# Allegro board Learn.brd (continued)
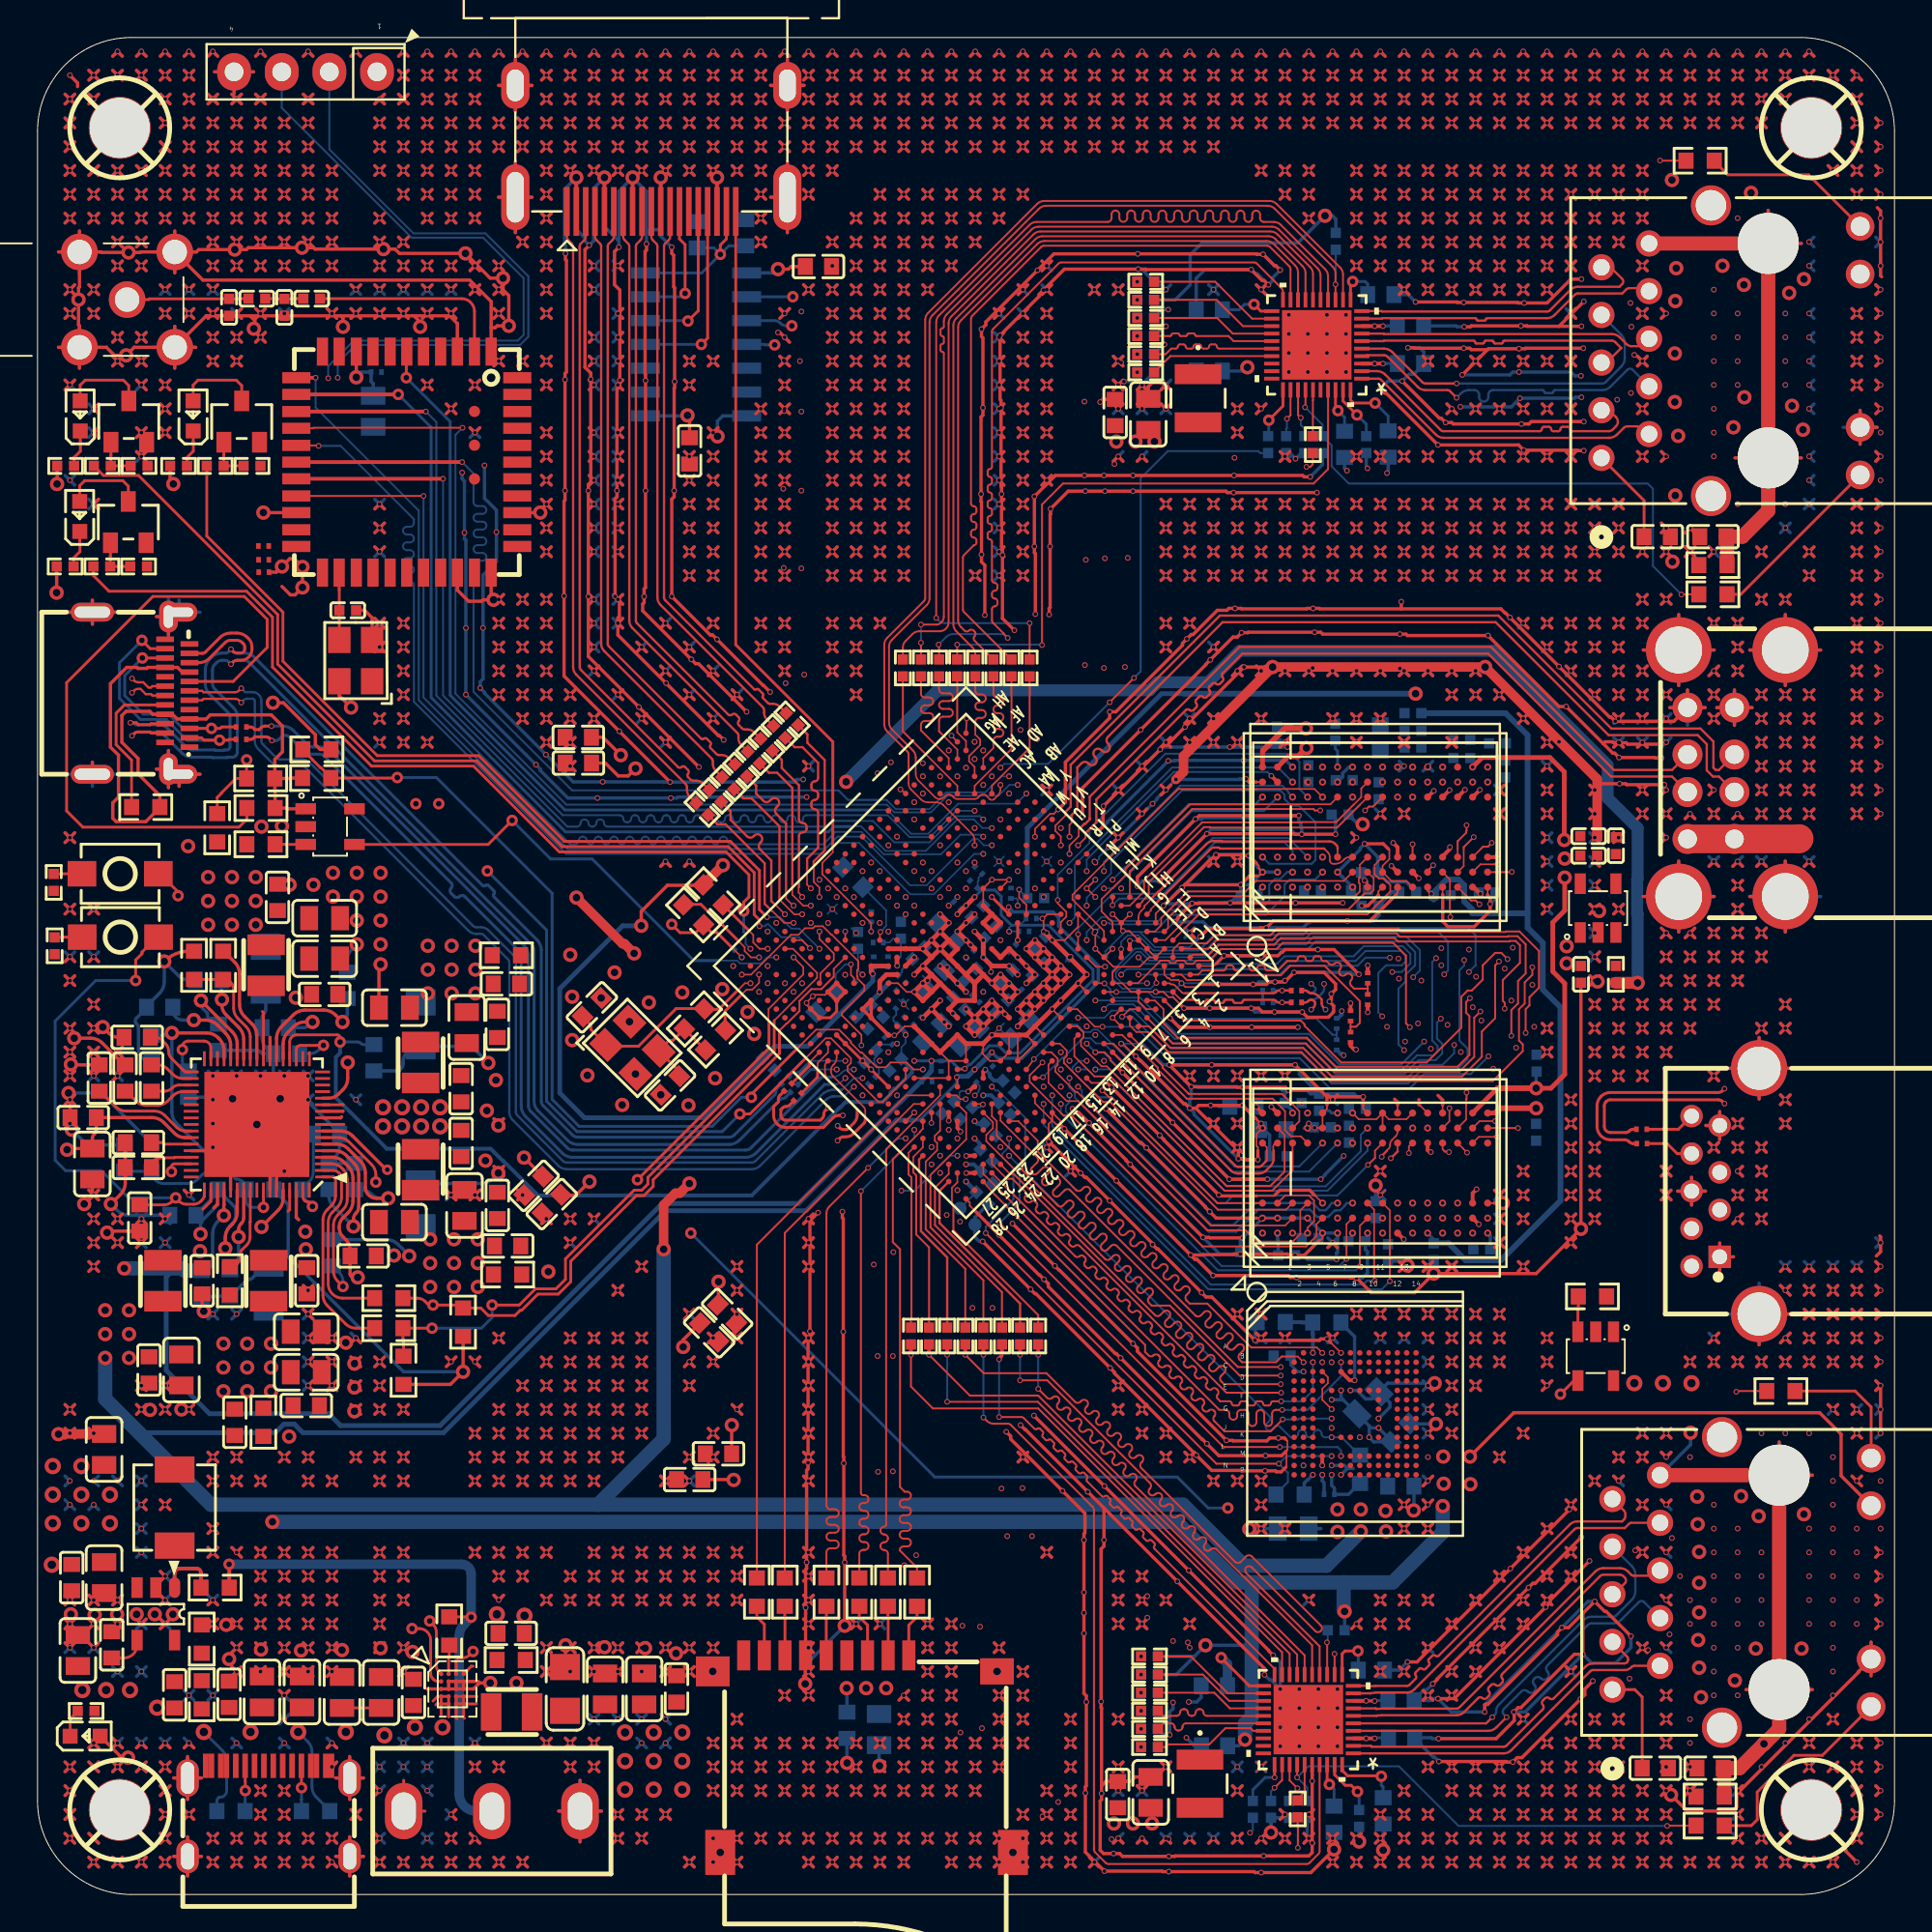
[diagram p0: board, top side]
## Routing (per net, layer and track width the routed paths; a pad name or vN(x,y) marks a point on that pad's centre or on a via; arc(x,y) is an arc through that point) (continued)
24.84,23.57 ; v1(24.58,23.31) 24.84,23.06 ; v1(24.58,23.31) 24.33,23.57 ; v1(86.81,71.57) 87.07,71.32 ; v1(86.81,71.57) 86.56,71.83 ; v1(86.81,71.57) 87.07,71.83 ; v1(86.81,71.57) 86.56,71.32 ; 31.19,76.91 v1(30.93,76.65) 31.19,76.4 ; v1(55.7,57.45) 55.7,58.98 v1(58.8,62.08) 62.28,65.55 62.28,65.58 v1(62.51,65.81) 63.73,67.03 63.95,67.03 v1(64.19,67.26) 64.51,67.26 64.54,67.28 v1(68.07,67.28) 68.4,67.28 68.5,67.18 v1(72.62,67.18) 72.95,67.18 73.02,67.11 v1(77.32,67.11) 81.1,63.32 v1(81.48,63.32) 83.46,61.34 ; v1(43.63,89.35) 43.89,89.61 ; v1(43.63,89.35) 43.38,89.61 ; v1(43.63,89.35) 43.38,89.1 ; v1(43.63,89.35) 43.89,89.1 ; v1(38.55,79.19) 38.81,78.94 ; v1(38.55,79.19) 38.3,78.94 ; v1(38.55,79.19) 38.81,79.45 ; v1(38.55,79.19) 38.3,79.45 ; v1(66.49,95.7) 66.75,95.96 ; v1(66.49,95.7) 66.75,95.45 ; v1(66.49,95.7) 66.24,95.96 ; v1(66.49,95.7) 66.24,95.45 ; v1(43.63,84.27) 43.89,84.02 ; v1(43.63,84.27) 43.38,84.53 ; v1(43.63,84.27) 43.89,84.53 ; v1(43.63,84.27) 43.38,84.02 ; 35.76,97.99 v1(36.01,98.24) 36.27,97.99 ; v1(37.28,63.95) 37.54,63.7 ; v1(37.28,63.95) 37.03,63.7 ; v1(37.28,63.95) 37.03,64.21 ; 7.82,37.54 v1(8.07,37.28) 8.33,37.54 ; 5.28,35.76 v1(5.53,36.01) 5.79,35.76 ; v1(79.19,9.34) 79.45,9.6 ; v1(79.19,9.34) 78.94,9.09 ; v1(79.19,9.34) 78.94,9.6 ; v1(71.58,80.26) 71.81,80.03 71.89,80.03 v1(74.65,77.27) 78.94,77.27 v1(79.22,76.99) 82.07,76.99 82.09,76.96 v1(82.42,76.96) ; v1(38.55,88.08) 38.81,87.83 ; v1(38.55,88.08) 38.3,88.34 ; v1(38.55,88.08) 38.81,88.34 ; v1(38.55,88.08) 38.3,87.83 ; v1(43.63,81.73) 43.89,81.99 ; v1(43.63,81.73) 43.38,81.99 ; v1(43.63,81.73) 43.38,81.48 ; v1(43.63,81.73) 43.89,81.48 ; v1(83,8.07) 83.26,8.33 ; v1(83,8.07) 83.26,7.82 ; v1(83,8.07) 82.75,8.33 ; v1(83,8.07) 82.75,7.82 ; v1(83,89.35) 83.26,89.61 ; v1(83,89.35) 82.75,89.1 ; v1(83,89.35) 83.26,89.1 ; v1(83,89.35) 82.75,89.61 ; v1(52.52,76.65) 52.78,76.4 ; v1(52.52,76.65) 52.78,76.91 ; v1(52.52,76.65) 52.27,76.91 ; v1(52.52,76.65) 52.27,76.4 ; 25.6,25.6 v1(25.85,25.85) ; v1(25.85,25.85) 25.6,26.11 ; v1(25.85,25.85) 26.11,25.6 ; v1(25.85,25.85) 26.11,26.11 ; 28.14,13.41 v1(28.39,13.15) ; v1(28.39,13.15) 28.65,12.9 ; v1(28.39,13.15) 28.65,13.41 ; v1(28.39,13.15) 28.14,12.9 ; v1(60.14,15.69) 60.4,15.95 ; v1(60.14,15.69) 60.4,15.44 ; v1(60.14,15.69) 59.89,15.44 ; v1(60.14,15.69) 59.89,15.95 ; v1(11.88,18.23) 12.14,17.98 ; v1(11.88,18.23) 11.63,17.98 ; v1(11.88,18.23) 12.14,18.49 ; v1(11.88,18.23) 11.63,18.49 ; C232.2 17.44,68.45 17.84,68.05 Y2.2 ; 7.82,96.72 v1(8.07,96.97) ; v1(8.07,96.97) 8.33,96.72 ; v1(8.07,96.97) 7.82,97.23 ; v1(8.07,96.97) 8.33,97.23 ; 92.91,95.96 v1(93.16,95.7) ; v1(93.16,95.7) 93.42,95.96 ; v1(93.16,95.7) 92.91,95.45 ; 82.75,90.37 v1(83,90.62) ; v1(83,90.62) 83.26,90.88 ; v1(83,90.62) 82.75,90.88 ; v1(83,90.62) 83.26,90.37 ; 43.38,78.18 v1(43.63,77.92) ; v1(43.63,77.92) 43.89,78.18 ; v1(43.63,77.92) 43.89,77.67 ; v1(43.63,77.92) 43.38,77.67 ; v1(49.98,1.72) 50.24,1.47 ; v1(49.98,1.72) 50.24,1.98 ; v1(49.98,1.72) 49.73,1.98 ; v1(49.98,1.72) 49.73,1.47 ; 78.94,86.56 v1(79.19,86.81) ; v1(79.19,86.81) 79.45,87.07 ; v1(79.19,86.81) 78.94,87.07 ; v1(79.19,86.81) 79.45,86.56 ; v1(81.73,39.82) 81.99,39.57 ; v1(81.73,39.82) 81.99,40.08 ; v1(81.73,39.82) 81.48,40.08 ; v1(81.73,39.82) 81.48,39.57 ; 85.8,61.16 v1(85.54,61.41) 85.29,61.16 ; 1.47,94.69 v1(1.72,94.43) ; v1(1.72,94.43) 1.98,94.18 ; v1(1.72,94.43) 1.47,94.18 ; v1(1.72,94.43) 1.98,94.69 ; 78.94,87.83 v1(79.19,88.08) ; v1(79.19,88.08) 78.94,88.34 ; v1(79.19,88.08) 79.45,88.34 ; v1(79.19,88.08) 79.45,87.83 ; v1(62.68,93.16) 62.94,93.42 ; v1(62.68,93.16) 62.94,92.91 ; v1(62.68,93.16) 62.43,93.42 ; v1(62.68,93.16) 62.43,92.91 ; v1(24.58,63.95) 24.84,63.7 ; v1(24.58,63.95) 24.84,64.21 ; v1(24.58,63.95) 24.33,64.21 ; v1(24.58,63.95) 24.33,63.7 ; 63.7,31.19 v1(63.95,30.93) ; v1(63.95,30.93) 63.7,30.68 ; v1(63.95,30.93) 64.21,31.19 ; v1(63.95,30.93) 64.21,30.68 ; v1(86.81,2.99) 87.07,3.25 ; v1(86.81,2.99) 86.56,3.25 ; v1(86.81,2.99) 86.56,2.74 ; v1(86.81,2.99) 87.07,2.74 ; v1(32.2,18.23) 32.46,17.98 ; v1(32.2,18.23) 32.46,18.49 ; v1(32.2,18.23) 31.95,17.98 ; v1(32.2,18.23) 31.95,18.49 ; 37.03,95.45 v1(37.28,95.7) ; v1(37.28,95.7) 37.54,95.45 ; v1(37.28,95.7) 37.03,95.96 ; v1(37.28,95.7) 37.54,95.96 ; v1(42.36,1.72) 42.62,1.47 ; v1(42.36,1.72) 42.11,1.47 ; v1(42.36,1.72) 42.11,1.98 ; v1(42.36,1.72) 42.62,1.98 ; v1(80.46,88.08) 80.72,87.83 ; v1(80.46,88.08) 80.21,87.83 ; v1(80.46,88.08) 80.72,88.34 ; v1(80.46,88.08) 80.21,88.34 ; 97.99,4.01 v1(98.24,4.26) 97.99,4.52 ; U1.1 8,7.35 ; U1.1 8.74,6.21 ; U1.1 8,5.07 ; U1.1 7.26,6.21 ; 12.9,10.87 v1(13.15,10.61) 13.41,10.87 ; v1(6.8,96.97) 7.06,97.23 ; v1(6.8,96.97) 7.06,96.72 ; v1(6.8,96.97) 6.55,97.23 ; v1(6.8,96.97) 6.55,96.72 ; 15.44,90.88 v1(15.69,90.62) ; v1(15.69,90.62) 15.44,90.37 ; v1(15.69,90.62) 15.95,90.37 ; v1(15.69,90.62) 15.95,90.88 ; v1(88.08,46.17) 88.34,45.92 ; v1(88.08,46.17) 87.83,46.43 ; v1(88.08,46.17) 88.34,46.43 ; v1(88.08,46.17) 87.83,45.92 ; v1(79.19,96.97) 79.45,96.72 ; v1(79.19,96.97) 79.45,97.23 ; v1(79.19,96.97) 78.94,96.72 ; v1(79.19,96.97) 78.94,97.23 ; 97.99,64.97 v1(98.24,65.22) 97.99,65.48 ; 6.34,68.12 U17.C2 6.98,67.13 ; 33.22,18.49 v1(33.47,18.23) ; v1(33.47,18.23) 33.22,17.98 ; v1(33.47,18.23) 33.73,18.49 ; v1(33.47,18.23) 33.73,17.98 ; 1.47,43.38 v1(1.72,43.63) ; v1(1.72,43.63) 1.98,43.89 ; v1(1.72,43.63) 1.47,43.89 ; v1(1.72,43.63) 1.98,43.38 ; 71.32,91.64 v1(71.57,91.89) ; v1(71.57,91.89) 71.83,91.64 ; v1(71.57,91.89) 71.83,92.15 ; v1(71.57,91.89) 71.32,92.15 ; v1(20.77,96.97) 21.03,96.72 ; v1(20.77,96.97) 20.52,97.23 ; v1(20.77,96.97) 20.52,96.72 ; v1(20.77,96.97) 21.03,97.23 ; v1(41.09,36.01) 41.35,35.76 ; v1(41.09,36.01) 41.35,36.27 ; v1(41.09,36.01) 40.84,35.76 ; v1(75.38,65.22) 75.64,64.97 ; v1(75.38,65.22) 75.13,65.48 ; v1(75.38,65.22) 75.64,65.48 ; v1(75.38,65.22) 75.13,64.97 ; v1(14.42,16.96) 14.68,17.22 ; v1(14.42,16.96) 14.17,16.71 ; v1(14.42,16.96) 14.17,17.22 ; v1(14.42,16.96) 14.68,16.71 ; 1.47,6.55 v1(1.72,6.8) ; v1(1.72,6.8) 1.47,7.06 ; v1(1.72,6.8) 1.98,7.06 ; v1(1.72,6.8) 1.98,6.55 ; 59.89,24.84 v1(60.14,24.58) ; v1(60.14,24.58) 59.89,24.33 ; v1(60.14,24.58) 60.4,24.84 ; v1(60.14,24.58) 60.4,24.33 ; 68.93,29.42 v1(68.73,29.62) 68.4,29.62 68.33,29.54 v1(64.9,29.54) 62.59,31.85 62.28,31.85 v1(62.05,32.08) 59.72,34.41 59.67,34.41 v1(59.44,34.65) 59.44,34.7 v1(57.15,36.98) 55.91,38.22 55.83,38.22 v1(55.6,38.46) 54.16,39.9 54.13,39.9 v1(53.9,40.13) 53.9,40.43 ; 48.46,88.34 v1(48.71,88.08) ; v1(48.71,88.08) 48.46,87.83 ; v1(48.71,88.08) 48.97,88.34 ; v1(48.71,88.08) 48.97,87.83 ; v1(46.17,2.99) 46.43,3.25 ; v1(46.17,2.99) 46.43,2.74 ; v1(46.17,2.99) 45.92,3.25 ; v1(46.17,2.99) 45.92,2.74 ; 20.52,80.72 v1(20.77,80.46) ; v1(20.77,80.46) 20.52,80.21 ; v1(20.77,80.46) 21.03,80.21 ; v1(20.77,80.46) 21.03,80.72 ; 80.21,7.82 v1(80.46,8.07) ; v1(80.46,8.07) 80.21,8.33 ; v1(80.46,8.07) 80.72,7.82 ; v1(80.46,8.07) 80.72,8.33 ; 65.96,37.29 66.22,37.54 67.81,37.54 68.07,37.29 ; v1(52.52,9.34) 52.78,9.09 ; v1(52.52,9.34) 52.27,9.6 ; v1(52.52,9.34) 52.27,9.09 ; v1(52.52,9.34) 52.78,9.6 ; v1(29.66,25.85) 29.92,26.11 ; v1(29.66,25.85) 29.92,25.6 ; v1(29.66,25.85) 29.41,25.6 ; v1(29.66,25.85) 29.41,26.11 ; v1(47.44,10.61) 47.7,10.87 ; v1(47.44,10.61) 47.7,10.36 ; v1(47.44,10.61) 47.19,10.87 ; v1(47.44,10.61) 47.19,10.36 ; 1.47,48.46 v1(1.72,48.71) ; v1(1.72,48.71) 1.47,48.97 ; v1(1.72,48.71) 1.98,48.97 ; v1(1.72,48.71) 1.98,48.46 ; v1(36.01,1.72) 36.27,1.47 ; v1(36.01,1.72) 35.76,1.47 ; v1(36.01,1.72) 36.27,1.98 ; v1(36.01,1.72) 35.76,1.98 ; v1(19.5,94.43) 19.76,94.69 ; v1(19.5,94.43) 19.25,94.18 ; v1(19.5,94.43) 19.25,94.69 ; v1(19.5,94.43) 19.76,94.18 ; 81.48,5.79 v1(81.73,5.53) ; v1(81.73,5.53) 81.48,5.28 ; v1(81.73,5.53) 81.99,5.79 ; v1(81.73,5.53) 81.99,5.28 ; 5.28,14.68 v1(5.53,14.42) 5.79,14.68 ; 78.94,78.94 v1(79.19,79.19) ; v1(79.19,79.19) 79.45,78.94 ; v1(79.19,79.19) 79.45,79.45 ; v1(79.19,79.19) 78.94,79.45 ; 9.09,94.18 v1(9.34,94.43) ; v1(9.34,94.43) 9.6,94.18 ; v1(9.34,94.43) 9.6,94.69 ; v1(9.34,94.43) 9.09,94.69 ; v1(53.79,58.87) 54.05,58.62 ; v1(53.79,58.87) 53.54,59.13 ; v1(53.79,58.87) 54.05,59.13 ; v1(44.9,83) 45.16,83.26 ; v1(44.9,83) 45.16,82.75 ; v1(44.9,83) 44.65,83.26 ; v1(44.9,83) 44.65,82.75 ; v1(50.5,68.2) 50.5,70.86 50.32,71.03 v1(50.32,71.42) 50.32,74.23 50.29,74.26 v1(50.29,74.65) 50.29,78.75 50.39,78.86 v1(50.39,79.25) 50.39,82.97 50.32,83.05 v1(50.32,83.44) 50.55,83.67 50.55,83.82 v1(53.3,86.58) 54.18,87.45 v1(58.65,87.45) 64.98,87.45 65,87.43 v1(65.33,87.43) 65.93,86.82 66.01,86.82 v1(66.24,86.59) ; v1(11.88,1.72) 12.14,1.98 ; v1(11.88,1.72) 12.14,1.47 ; v1(11.88,1.72) 11.63,1.98 ; v1(11.88,1.72) 11.63,1.47 ; 81.48,12.14 v1(81.73,11.88) ; v1(81.73,11.88) 81.48,11.63 ; v1(81.73,11.88) 81.99,12.14 ; v1(86.81,4.26) 87.07,4.52 ; v1(86.81,4.26) 86.56,4.52 ; v1(86.81,4.26) 87.07,4.01 ; v1(86.81,4.26) 86.56,4.01 ; 82.37,14.99 v1(82.37,12.8) 81.92,12.8 79.07,9.96 78.92,9.96 v1(78.69,9.73) 78.69,9.68 78.71,9.65 78.71,9.27 77.75,8.31 v1(74.68,8.31) ; 6.55,21.03 v1(6.8,20.77) ; v1(6.8,20.77) 6.55,20.52 ; v1(6.8,20.77) 7.06,20.52 ; v1(6.8,20.77) 7.06,21.03 ; v1(56.49,56.62) 56.79,56.92 56.79,57.66 56.82,57.69 v1(56.82,58.01) v1(59.84,61.04) 60.07,61.27 60.2,61.27 v1(61.16,62.23) 61.4,62.46 61.4,62.51 v1(64.31,65.43) v3(65.84,65.43) ; 16.15,84.15 20.07,84.15 ; v1(29.66,65.22) 29.92,64.97 ; v1(29.66,65.22) 29.41,65.48 ; v1(29.66,65.22) 29.92,65.48 ; 15.44,12.9 v1(15.69,13.15) ; v1(15.69,13.15) 15.95,12.9 ; v1(15.69,13.15) 15.44,13.41 ; v1(15.69,13.15) 15.95,13.41 ; v1(74.11,29.66) 74.37,29.41 ; v1(74.11,29.66) 74.37,29.92 ; v1(74.11,29.66) 73.86,29.92 ; 17.98,89.1 v1(18.23,89.35) ; v1(18.23,89.35) 17.98,89.61 ; v1(18.23,89.35) 18.49,89.61 ; v1(18.23,89.35) 18.49,89.1 ; v1(41.09,96.97) 41.35,97.23 ; v1(41.09,96.97) 41.35,96.72 ; v1(41.09,96.97) 40.84,97.23 ; v1(41.09,96.97) 40.84,96.72 ; 19.25,23.57 v1(19.5,23.31) ; v1(19.5,23.31) 19.76,23.57 ; v1(19.5,23.31) 19.25,23.06 ; v1(19.5,23.31) 19.76,23.06 ; v1(44.9,5.53) 45.16,5.79 ; v1(44.9,5.53) 44.65,5.79 ; v1(44.9,5.53) 44.65,5.28 ; v1(44.9,5.53) 45.16,5.28 ; 67.51,90.37 v1(67.76,90.62) ; v1(67.76,90.62) 68.02,90.88 ; v1(67.76,90.62) 67.51,90.88 ; v1(67.76,90.62) 68.02,90.37 ; v1(38.55,95.7) 38.81,95.45 ; v1(38.55,95.7) 38.3,95.45 ; v1(38.55,95.7) 38.81,95.96 ; v1(38.55,95.7) 38.3,95.96 ; 60.4,2.74 v1(60.14,2.99) 59.89,2.74 ; 52.27,23.06 v1(52.52,23.31) ; v1(52.52,23.31) 52.78,23.06 ; v1(52.52,23.31) 52.78,23.57 ; v1(52.52,23.31) 52.27,23.57 ; U22.2 7.32,81.36 ; U22.2 8.43,82.47 ; U22.2 7.32,83.59 ; v1(86.81,63.95) 87.07,64.21 ; v1(86.81,63.95) 86.56,64.21 ; v1(86.81,63.95) 87.07,63.7 ; v1(86.81,63.95) 86.56,63.7 ; 47.19,7.06 v1(47.44,6.8) ; v1(47.44,6.8) 47.7,7.06 ; v1(47.44,6.8) 47.7,6.55 ; v1(47.44,6.8) 47.19,6.55 ; v1(43.63,74.11) 43.89,74.37 ; v1(43.63,74.11) 43.89,73.86 ; v1(43.63,74.11) 43.38,73.86 ; v1(43.63,74.11) 43.38,74.37 ; 66.55,24.26 66.47,24.33 v1(66.14,24.33) 65.68,24.33 65.53,24.18 63.73,24.18 63.7,24.21 v1(63.37,24.21) 58.63,28.95 58.63,29.13 v1(58.39,29.36) 54.49,33.27 54.46,33.27 v1(54.23,33.5) v1(51.97,35.76) ; 77.67,28.65 v1(77.92,28.39) ; v1(77.92,28.39) 78.18,28.14 ; v1(77.92,28.39) 77.67,28.14 ; v1(77.92,28.39) 78.18,28.65 ; 31.19,84.53 v1(30.93,84.27) 31.19,84.02 ; 45.92,75.64 v1(46.17,75.38) ; v1(46.17,75.38) 45.92,75.13 ; v1(46.17,75.38) 46.43,75.13 ; v1(46.17,75.38) 46.43,75.64 ; v1(75.38,28.39) 75.64,28.65 ; v1(75.38,28.39) 75.13,28.65 ; v1(75.38,28.39) 75.13,28.14 ; v1(75.38,28.39) 75.64,28.14 ; 62.43,96.72 v1(62.68,96.97) ; v1(62.68,96.97) 62.94,97.23 ; v1(62.68,96.97) 62.43,97.23 ; v1(62.68,96.97) 62.94,96.72 ; v1(80.46,52.52) 80.72,52.78 ; v1(80.46,52.52) 80.21,52.78 ; v1(80.46,52.52) 80.21,52.27 ; 94.18,59.13 v1(94.43,58.87) ; v1(94.43,58.87) 94.18,58.62 ; v1(94.43,58.87) 94.69,59.13 ; v1(94.43,58.87) 94.69,58.62 ; v1(47.44,94.43) 47.7,94.18 ; v1(47.44,94.43) 47.7,94.69 ; v1(47.44,94.43) 47.19,94.69 ; v1(47.44,94.43) 47.19,94.18 ; v1(90.62,51.25) 90.88,51 ; v1(90.62,51.25) 90.88,51.51 ; v1(90.62,51.25) 90.37,51 ; v1(90.62,51.25) 90.37,51.51 ; 57.35,7.06 v1(57.6,6.8) ; v1(57.6,6.8) 57.86,6.55 ; v1(57.6,6.8) 57.35,6.55 ; v1(57.6,6.8) 57.86,7.06 ; v1(43.63,93.16) 43.89,92.91 ; v1(43.63,93.16) 43.38,92.91 ; v1(43.63,93.16) 43.89,93.42 ; v1(43.63,93.16) 43.38,93.42 ; v1(27.12,90.62) 27.38,90.88 ; v1(27.12,90.62) 26.87,90.37 ; v1(27.12,90.62) 27.38,90.37 ; v1(27.12,90.62) 26.87,90.88 ; v3(20.4,83.57) 20.4,83.82 20.07,84.15 ; v1(47.44,8.07) 47.7,8.33 ; v1(47.44,8.07) 47.19,8.33 ; v1(47.44,8.07) 47.19,7.82 ; v1(47.44,8.07) 47.7,7.82 ; v1(53.79,86.81) 54.05,87.07 ; v1(53.79,86.81) 53.54,86.56 ; v1(53.79,86.81) 53.54,87.07 ; v1(4.26,88.08) 4.52,88.34 ; v1(4.26,88.08) 4.52,87.83 ; v1(4.26,88.08) 4.01,88.34 ; v1(4.26,88.08) 4.01,87.83 ; 39.57,77.67 v1(39.82,77.92) ; v1(39.82,77.92) 40.08,78.18 ; v1(39.82,77.92) 39.57,78.18 ; v1(39.82,77.92) 40.08,77.67 ; v1(42.36,71.57) 42.62,71.83 ; v1(42.36,71.57) 42.11,71.83 ; v1(42.36,71.57) 42.62,71.32 ; v1(42.36,71.57) 42.11,71.32 ; v1(34.74,91.89) 35,91.64 ; v1(34.74,91.89) 35,92.15 ; v1(34.74,91.89) 34.49,91.64 ; v1(34.74,91.89) 34.49,92.15 ; v1(85.54,89.35) 85.8,89.1 ; v1(85.54,89.35) 85.8,89.61 ; v1(85.54,89.35) 85.29,89.1 ; v1(85.54,89.35) 85.29,89.61 ; 90.88,54.81 v1(90.62,55.06) 90.37,54.81 ; v1(28.39,34.74) 28.65,35 ; v1(28.39,34.74) 28.14,35 ; v1(28.39,34.74) 28.14,34.49 ; 80.21,53.54 v1(80.46,53.79) 80.21,54.05 ; 24.58,96.43 J1.22 ; J1.22 25.47,95.04 ; J1.22 25.47,97.82 ; J1.22 26.36,96.43 ; v1(36.01,23.31) 36.27,23.57 ; v1(36.01,23.31) 35.76,23.57 ; v1(36.01,23.31) 35.76,23.06 ; v1(36.01,23.31) 36.27,23.06 ; v1(82.4,82.42) 79.32,82.42 79.3,82.4 v1(78.97,82.4) 77.34,82.4 77.29,82.35 ; 39.57,65.48 v1(39.82,65.22) ; v1(39.82,65.22) 40.08,65.48 ; v1(39.82,65.22) 40.08,64.97 ; v1(39.82,65.22) 39.57,64.97 ; 35.76,71.83 v1(36.01,71.57) ; v1(36.01,71.57) 35.76,71.32 ; v1(36.01,71.57) 36.27,71.83 ; v1(36.01,71.57) 36.27,71.32 ; 12.9,4.01 v1(13.15,4.26) ; v1(13.15,4.26) 13.41,4.52 ; v1(13.15,4.26) 13.41,4.01 ; v1(13.15,4.26) 12.9,4.52 ; v1(53.79,75.38) 54.05,75.13 ; v1(53.79,75.38) 53.54,75.64 ; v1(53.79,75.38) 54.05,75.64 ; v1(53.79,75.38) 53.54,75.13 ; v1(77.92,91.89) 78.18,91.64 ; v1(77.92,91.89) 77.67,91.64 ; v1(77.92,91.89) 78.18,92.15 ; v1(77.92,91.89) 77.67,92.15 ; v1(83,66.49) 83.26,66.24 ; v1(83,66.49) 83.26,66.75 ; v1(83,66.49) 82.75,66.75 ; v1(83,66.49) 82.75,66.24 ; v1(46.17,81.73) 46.43,81.99 ; v1(46.17,81.73) 45.92,81.48 ; v1(46.17,81.73) 46.43,81.48 ; v1(46.17,81.73) 45.92,81.99 ; 97.99,81.99 v1(98.24,81.73) 97.99,81.48 ; 56.08,93.42 v1(56.33,93.16) ; v1(56.33,93.16) 56.59,92.91 ; v1(56.33,93.16) 56.59,93.42 ; v1(56.33,93.16) 56.08,92.91 ; 42.11,78.18 v1(42.36,77.92) ; v1(42.36,77.92) 42.62,77.67 ; v1(42.36,77.92) 42.11,77.67 ; v1(42.36,77.92) 42.62,78.18 ; v1(81.73,38.55) 81.99,38.81 ; v1(81.73,38.55) 81.48,38.81 ; v1(81.73,38.55) 81.99,38.3 ; v1(81.73,38.55) 81.48,38.3 ; v1(79.19,6.8) 79.45,6.55 ; v1(79.19,6.8) 78.94,7.06 ; v1(79.19,6.8) 79.45,7.06 ; v1(79.19,6.8) 78.94,6.55 ; 8,0.99 U1.3 ; U1.3 8,3.07 ; U1.3 8.74,2.03 ; U1.3 7.26,2.03 ; v1(46.17,70.3) 46.43,70.56 ; v1(46.17,70.3) 45.92,70.05 ; v1(46.17,70.3) 45.92,70.56 ; v1(46.17,70.3) 46.43,70.05 ; v1(42.36,96.97) 42.62,96.72 ; v1(42.36,96.97) 42.11,96.72 ; v1(42.36,96.97) 42.62,97.23 ; v1(42.36,96.97) 42.11,97.23 ; 74.65,42.6 74.9,42.35 74.9,42.09 ; v1(22.04,91.89) 22.3,92.15 ; v1(22.04,91.89) 22.3,91.64 ; v1(22.04,91.89) 21.79,91.64 ; v1(22.04,91.89) 21.79,92.15 ; v1(30.93,91.89) 31.19,92.15 ; v1(30.93,91.89) 30.68,92.15 ; v1(30.93,91.89) 30.68,91.64 ; v1(30.93,91.89) 31.19,91.64 ; 82.75,57.35 v1(83,57.6) ; v1(83,57.6) 82.75,57.86 ; v1(83,57.6) 83.26,57.35 ; v1(83,57.6) 83.26,57.86 ; 34.49,92.91 v1(34.74,93.16) ; v1(34.74,93.16) 35,93.42 ; v1(34.74,93.16) 35,92.91 ; v1(34.74,93.16) 34.49,93.42 ; v1(71.57,72.84) 71.83,72.59 ; v1(71.57,72.84) 71.32,72.59 ; v1(71.57,72.84) 71.83,73.1 ; v1(71.57,72.84) 71.32,73.1 ; 29.41,23.57 v1(29.66,23.31) ; v1(29.66,23.31) 29.92,23.06 ; v1(29.66,23.31) 29.92,23.57 ; v1(29.66,23.31) 29.41,23.06 ; 12.9,93.42 v1(13.15,93.16) ; v1(13.15,93.16) 12.9,92.91 ; v1(13.15,93.16) 13.41,92.91 ; v1(13.15,93.16) 13.41,93.42 ; 56.08,1.47 v1(56.33,1.72) ; v1(56.33,1.72) 56.08,1.98 ; v1(56.33,1.72) 56.59,1.47 ; v1(67.23,57.51) 61.93,57.51 61.75,57.33 v1(61.72,57.33) 58.62,54.23 58.62,53.83 ; 25.6,24.84 v1(25.85,24.58) ; v1(25.85,24.58) 26.11,24.33 ; v1(25.85,24.58) 26.11,24.84 ; v1(25.85,24.58) 25.6,24.33 ; v1(73.05,82.45) 73.38,82.45 73.4,82.42 v1(76.02,82.42) 76.35,82.42 76.43,82.35 77.29,82.35 ; 89.1,71.32 v1(89.35,71.57) 89.1,71.83 ; 82.75,95.96 v1(83,95.7) ; v1(83,95.7) 83.26,95.45 ; v1(83,95.7) 83.26,95.96 ; v1(83,95.7) 82.75,95.45 ; v1(10.61,88.08) 10.87,87.83 ; v1(10.61,88.08) 10.87,88.34 ; v1(10.61,88.08) 10.36,87.83 ; v1(10.61,88.08) 10.36,88.34 ; 2.13,96.37 2.13,96.57 v1(1.72,96.97) ; v1(9.34,86.81) 9.6,87.07 ; v1(9.34,86.81) 9.09,87.07 ; v1(9.34,86.81) 9.6,86.56 ; v1(9.34,86.81) 9.09,86.56 ; 78.94,24.33 v1(79.19,24.58) ; v1(79.19,24.58) 79.45,24.33 ; v1(79.19,24.58) 79.45,24.84 ; v1(79.19,24.58) 78.94,24.84 ; 9.09,17.98 v1(9.34,18.23) ; v1(9.34,18.23) 9.09,18.49 ; v1(9.34,18.23) 9.6,18.49 ; v1(9.34,18.23) 9.6,17.98 ; v1(93.16,47.44) 93.42,47.7 ; v1(93.16,47.44) 92.91,47.19 ; v1(93.16,47.44) 92.91,47.7 ; v1(93.16,47.44) 93.42,47.19 ; 76.4,11.63 v1(76.65,11.88) ; v1(76.65,11.88) 76.4,12.14 ; v1(76.65,11.88) 76.91,11.63 ; v1(76.65,11.88) 76.91,12.14 ; v1(53.79,85.54) 54.05,85.29 ; v1(53.79,85.54) 54.05,85.8 ; v1(53.79,85.54) 53.54,85.29 ; v1(63.95,2.99) 64.21,2.74 ; v1(63.95,2.99) 63.7,3.25 ; v1(63.95,2.99) 64.21,3.25 ; v1(63.95,2.99) 63.7,2.74 ; v1(44.9,6.8) 45.16,6.55 ; v1(44.9,6.8) 45.16,7.06 ; v1(44.9,6.8) 44.65,7.06 ; v1(44.9,6.8) 44.65,6.55 ; v1(60.14,93.16) 60.4,93.42 ; v1(60.14,93.16) 59.89,93.42 ; v1(60.14,93.16) 59.89,92.91 ; v1(60.14,93.16) 60.4,92.91 ; 9.09,91.64 v1(9.34,91.89) ; v1(9.34,91.89) 9.6,91.64 ; v1(9.34,91.89) 9.09,92.15 ; v1(9.34,91.89) 9.6,92.15 ; 31.95,91.64 v1(32.2,91.89) ; v1(32.2,91.89) 31.95,92.15 ; v1(32.2,91.89) 32.46,92.15 ; v1(32.2,91.89) 32.46,91.64 ; v1(55.06,1.72) 55.32,1.98 ; v1(55.06,1.72) 55.32,1.47 ; v1(55.06,1.72) 54.81,1.98 ; v1(55.06,1.72) 54.81,1.47 ; v1(18.23,18.23) 18.49,18.49 ; v1(18.23,18.23) 17.98,18.49 ; v1(18.23,18.23) 17.98,17.98 ; v1(18.23,18.23) 18.49,17.98 ; 95.45,26.11 v1(95.7,25.85) ; v1(95.7,25.85) 95.96,26.11 ; v1(95.7,25.85) 95.96,25.6 ; 23.06,93.42 v1(23.31,93.16) ; v1(23.31,93.16) 23.06,92.91 ; v1(23.31,93.16) 23.57,92.91 ; v1(23.31,93.16) 23.57,93.42 ; v1(74.11,13.15) 74.37,13.41 ; v1(74.11,13.15) 73.86,12.9 ; v1(74.11,13.15) 73.86,13.41 ; 20.52,91.64 v1(20.77,91.89) ; v1(20.77,91.89) 21.03,91.64 ; v1(20.77,91.89) 20.52,92.15 ; v1(20.77,91.89) 21.03,92.15 ; v1(6.8,95.7) 7.06,95.45 ; v1(6.8,95.7) 7.06,95.96 ; v1(6.8,95.7) 6.55,95.45 ; v1(6.8,95.7) 6.55,95.96 ; 34.49,66.75 v1(34.74,66.49) ; v1(34.74,66.49) 34.49,66.24 ; v1(34.74,66.49) 35,66.24 ; v1(1.72,95.7) 1.98,95.45 ; v1(1.72,95.7) 1.47,95.45 ; v1(1.72,95.7) 1.47,95.96 ; v1(1.72,95.7) 1.98,95.96 ; v1(72.84,89.35) 73.1,89.61 ; v1(72.84,89.35) 73.1,89.1 ; v1(72.84,89.35) 72.59,89.61 ; v1(72.84,89.35) 72.59,89.1 ; v1(1.72,42.36) 1.98,42.11 ; v1(1.72,42.36) 1.47,42.11 ; v1(1.72,42.36) 1.98,42.62 ; v1(1.72,42.36) 1.47,42.62 ; 55.32,97.99 v1(55.06,98.24) 54.81,97.99 ; v1(43.63,14.42) 43.89,14.17 ; v1(43.63,14.42) 43.38,14.68 ; v1(43.63,14.42) 43.38,14.17 ; 77.29,82.35 v1(75.95,81) ; 7.54,59.07 U17.C3 8.66,59.72 ; 22.3,4.01 v1(22.04,4.26) 22.3,4.52 ; 26.87,15.44 v1(27.12,15.69) ; v1(27.12,15.69) 26.87,15.95 ; v1(27.12,15.69) 27.38,15.95 ; v1(27.12,15.69) 27.38,15.44 ; 11.63,83.26 v1(11.88,83) ; v1(11.88,83) 12.14,83.26 ; v1(11.88,83) 12.14,82.75 ; v1(11.88,83) 11.63,82.75 ; v1(79.19,95.7) 79.45,95.96 ; v1(79.19,95.7) 78.94,95.96 ; v1(79.19,95.7) 78.94,95.45 ; v1(79.19,95.7) 79.45,95.45 ; v1(15.69,1.72) 15.95,1.47 ; v1(15.69,1.72) 15.44,1.98 ; v1(15.69,1.72) 15.44,1.47 ; 89.1,97.23 v1(89.35,96.97) ; v1(89.35,96.97) 89.61,96.72 ; v1(89.35,96.97) 89.1,96.72 ; v1(89.35,96.97) 89.61,97.23 ; v1(96.97,90.62) 97.23,90.88 ; v1(96.97,90.62) 97.23,90.37 ; v1(96.97,90.62) 